# Altium PCB bq3DP_LCD.PcbDoc
Units mm, origin at the board's own origin, x right, y up, seen from the top; angles counter-clockwise.
Board outline 149.95 x 70.69 mm, 2 copper layers (Top Layer, Bottom Layer), stack 1.671 mm thick; 48 components, 34 nets, 185 pads, 67 vias.
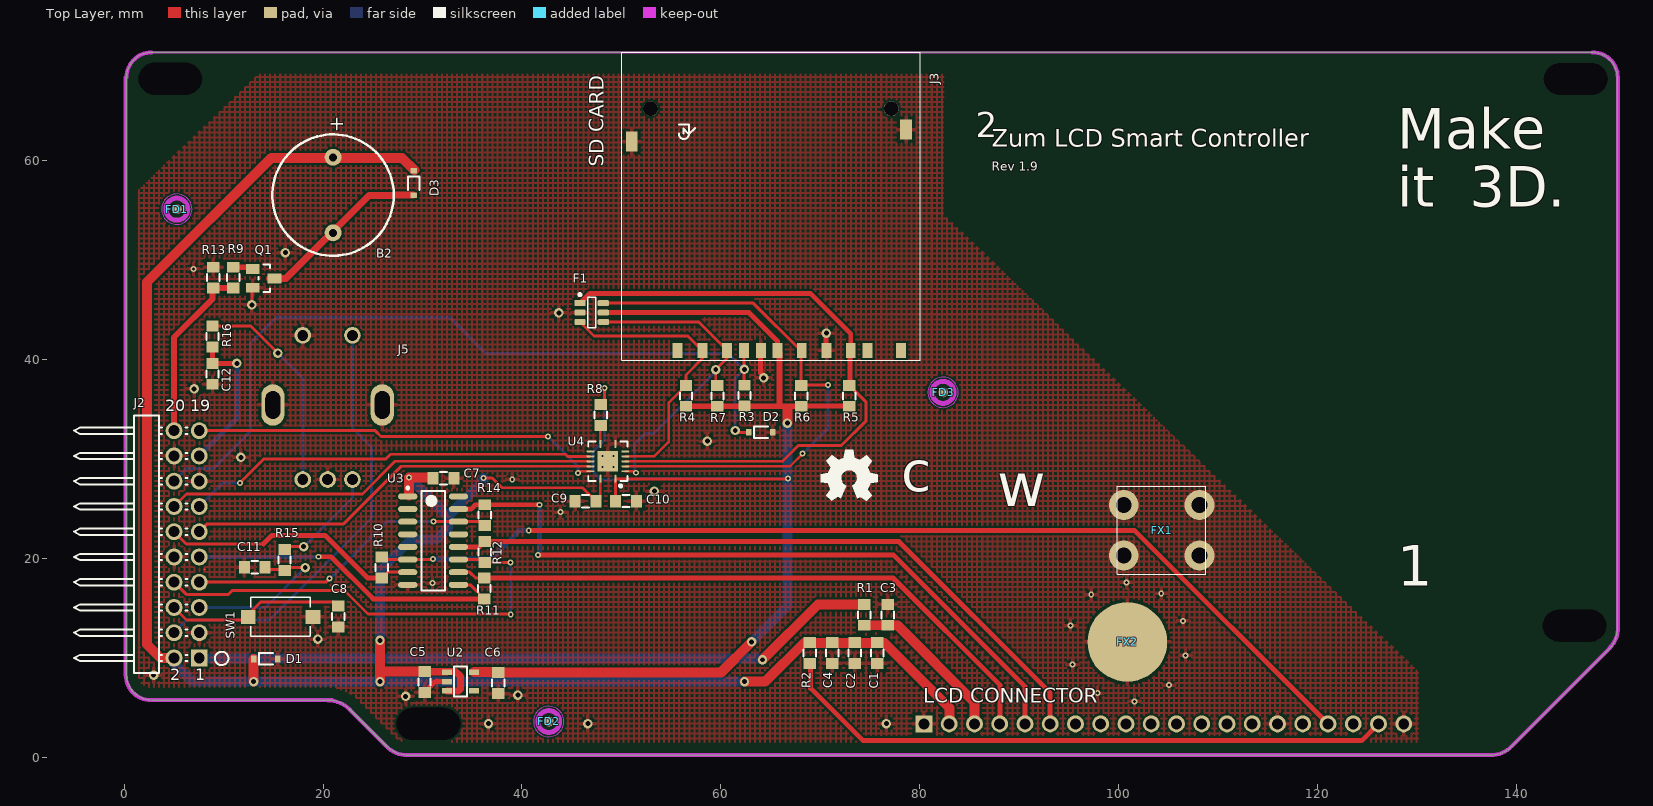
[diagram p0: Top Layer view]
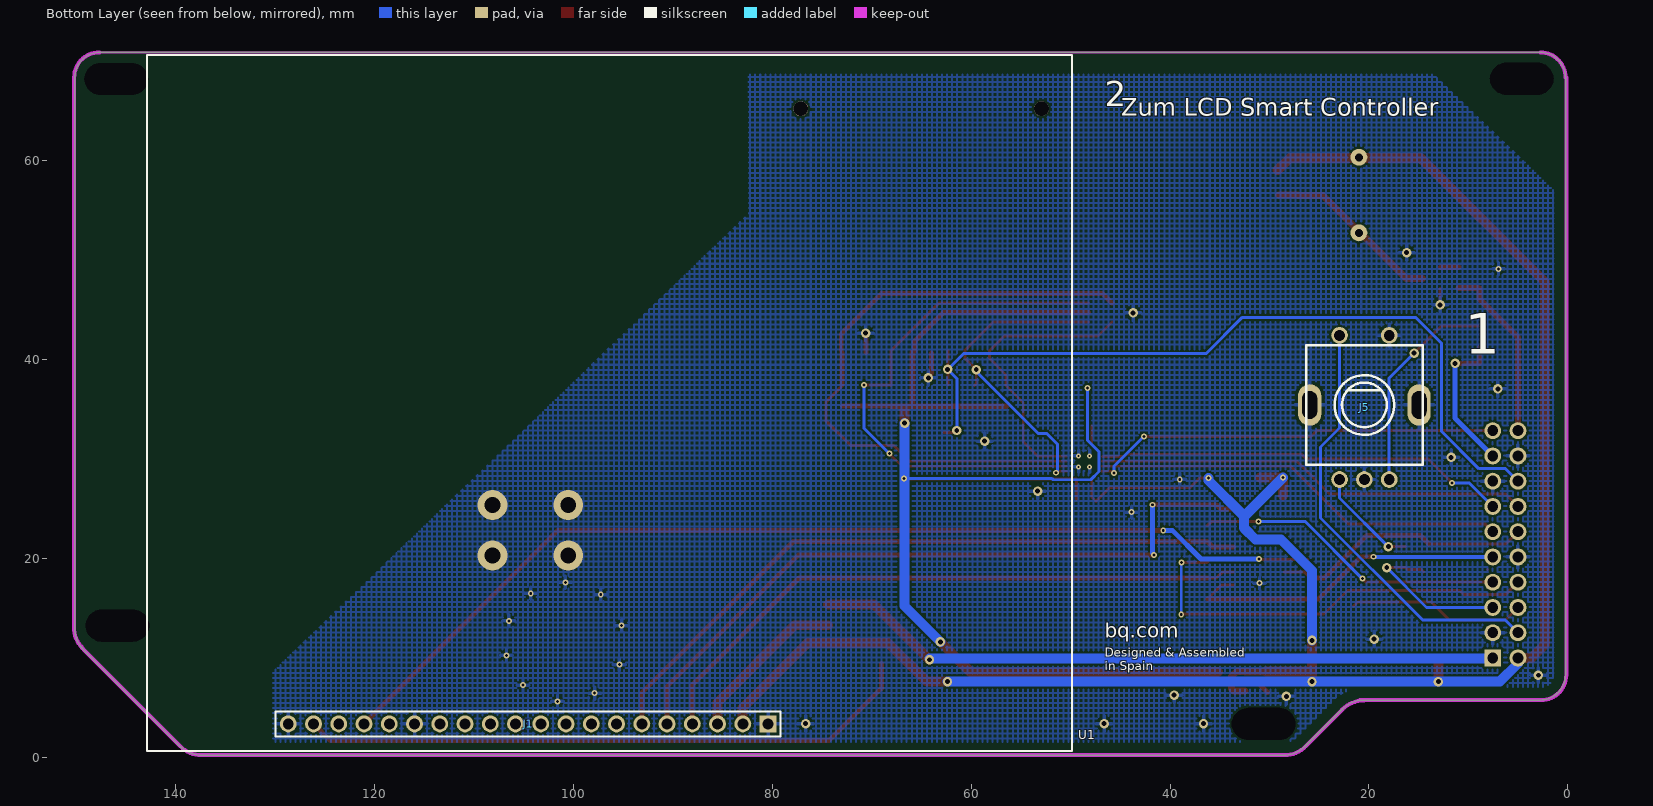
[diagram p1: Bottom Layer view, seen from below]

## Layer stack, top to bottom
Top Solder: solder mask 0.0102, Solder Resist, Dk 3.5
Top Layer: signal copper 0.0356
Dielectric 1: dielectric 1.6, FR-4, Dk 4.8
Bottom Layer: signal copper 0.0356
Bottom Solder: solder mask 0.0102, Solder Resist, Dk 3.5

## Board outline
2.77,5.75 cw(c2.77,8.29) 0.23,8.29 0.23,68.36 cw(c2.77,68.36) 2.77,70.9 147.64,70.9 cw(c147.64,68.36) 150.18,68.36 150.184,68.36 150.184,12.918 cw(c147.25,12.918) 149.325,10.843 139.588,1.106 cw(c137.42,3.274) 137.42,0.208 28.57,0.208 cw(c28.57,3.274) 26.402,1.106 26.404,1.108 22.69,4.822 ccw(c20.45,2.583) 20.45,5.75

## Design rules (kind name [scope] priority, off if disabled: settings)
Clearance Clearance_KO [OnLayer('Keep-Out Layer')] p1: gap=1
Clearance [All] p2: gap=0.2
HoleSize [All] p1: absolutevalues=TRUE maxlimit=6.4 minlimit=0.025 maxpercent=80.000 minpercent=20.000
MinimumSolderMaskSliver [All] p1: minsoldermaskwidth=0
PlaneConnect [All] p1: planeconnectstyle=Relief reliefexpansion=0.508 reliefentries=4 reliefconductorwidth=0.3 reliefairgap=0.3
PolygonConnect PolygonConnect_EARTH [InComponent('FX1')] p1: connectstyle=Direct reliefconductorwidth=0.35 reliefentries=4 polygonreliefangle="90 Angle" airgapwidth=0.3
PolygonConnect [All] p2: connectstyle=Relief reliefconductorwidth=0.35 reliefentries=4 polygonreliefangle="90 Angle" airgapwidth=0.3
RoutingVias [All] p1: holewidth=0.711 width=1.27 viastyle="Through Hole" minholewidth=0.5 minwidth=0.95 maxholewidth=2 maxwidth=3
SilkToBoardRegionClearance [All] p1 off:
SilkToSolderMaskClearance [IsPad] p1: minsilkscreentomaskgap=0 clearancetoexposedcopper=TRUE
SolderMaskExpansion [All] p1: expansion=0.102
Width [All] p1: maxlimit=3 minlimit=0.15 preferedwidth=0.3
25 further rules are at their usual default settings.

## Components (designator, comment, footprint, x,y, rotation, side; value= is the part's Value field where it differs from the comment)
B2 "BUZZER" KXG1205C 21.01,56.54 r270 top
C1 "Capacitor" C0805 75.76,10.48 r90 top
C2 "Capacitor" C0805 73.493,10.48 r90 top
C3 "Capacitor" C0805 76.79,14.32 r270 top
C4 "Capacitor" C0805 71.227,10.48 r90 top
C5 "Capacitor" C0805 30.21,7.57 r90 top
C6 "Capacitor" C0805 37.62,7.45 r90 top
C7 "Capacitor" C0805 32.11,28.05 r180 top
C8 "Capacitor" C0805 21.53,14.15 r90 top
C9 "Capacitor" C0805 46.41,25.74 r0 top
C10 "Capacitor" C0805 50.47,25.76 r180 top
C11 "Capacitor" C0805 13.13,19.1 r0 top
C12 "Capacitor" C0805 8.88,38.56 r90 top
D1 "PESD5V0L1UA" SOD323 14.24,9.89 r180 top
D2 "PESD5V0L1UA" SOD323 64.03,32.68 r180 top
D3 "1N4148WX" SOD323 29.12,57.76 r90 top
F1 "IP4220CZ6" SOT23-6 47.02,44.72 r270 top
FD1 "Fiducial" Fiducial 5.29,55.12 r0 top
FD2 "Fiducial" Fiducial 42.7,3.59 r0 top
FD3 "Fiducial" Fiducial 82.36,36.7 r0 top
FX1 "Fix Hole" 74760045 104.35,22.95 r0 top
FX2 "Fix Hole" 7466214 100.9,11.59 r0 top
J1 "1x20 pin Header 2.54mm" "1x20 Pin Header 2.54" 80.44,3.348 r0 bottom
J2 "2x10 Pin Angled Header 2.54" "2x10 Pin Angled Header 2.54" 7.55,9.98 r90 top
J3 "SD" SD 58.15,40.91 r180 top
J5 "Encoder_ALPS" Encoder_EC11 20.46,35.43 r180 bottom
Q1 "NDS331N" SOT23-3 14.03,48.17 r90 top
R1 "Resistor" R0805 74.43,14.32 r90 top
R2 "Resistor" R0805 68.96,10.48 r90 top
R3 "Resistor" R0805 62.39,36.36 r270 top
R4 "Resistor" R0805 56.51,36.35 r270 top
R5 "Resistor" R0805 72.93,36.35 r270 top
R6 "Resistor" R0805 68.09,36.35 r270 top
R7 "Resistor" R0805 59.67,36.35 r270 top
R8 "Resistor" R0805 47.92,34.41 r90 top
R9 "Resistor" R0805 10.97,48.23 r270 top
R10 "Resistor" R0805 25.91,19.09 r90 top
R11 "Resistor" R0805 36.23,16.97 r90 top
R12 "Resistor" R0805 36.27,20.64 r90 top
R13 "Resistor" R0805 8.96,48.23 r270 top
R14 "Resistor" R0805 36.27,24.34 r90 top
R15 "Resistor" R0805 16.13,19.82 r90 top
R16 "Resistor" R0805 8.88,42.3 r90 top
SW1 "Switch" SW_SMD_6.0x3.8 15.73,14.12 r0 top
U1 "LCD" LCD_Graphic_128x64 80.647,3.13 r180 bottom
U2 "TLV702XX" SOT23-5 33.82,7.61 r270 top
U3 "74HC4050" SO16 31.07,21.78 r0 top
U4 "TXB0104" QFN14 48.65,29.76 r90 top

## Footprints (in the part's own frame and the unit in brackets; to place one, negate y for a bottom-side part, rotate by r counter-clockwise, add the part's x,y. Pads: shape width x height; smd on the part's side, far side on the other; paste and mask are expansions set on the pad)
"1x20 Pin Header 2.54" [mm] "1x20 Pin Header 2.54"
  rect 1.7x1.7 hole 1.1: 1(0,0)
  round 1.7 hole 1.1: 2(2.54,0) 3(5.08,0) 4(7.62,0) 5(10.16,0) 6(12.7,0) 7(15.24,0) 8(17.78,0) 9(20.32,0) 10(22.86,0) 11(25.4,0) 12(27.94,0) 13(30.48,0) 14(33.02,0) 15(35.56,0) 16(38.1,0) 17(40.64,0) 18(43.18,0) 19(45.72,0) 20(48.26,0)
  silkscreen extent -1.27,-1.27 49.53,1.27, body extent -1.26,-1.25 49.54,1.29, height 8.43
"2x10 Pin Angled Header 2.54" [mm] "20 dual pin Header pitch 2.54mm"
  rect 1.7x1.7 hole 1.1: 1(0,0)
  round 1.7 hole 1.1: 2(0,2.54) 3(2.54,0) 4(2.54,2.54) 5(5.08,0) 6(5.08,2.54) 7(7.62,0) 8(7.62,2.54) 9(10.16,0) 10(10.16,2.54) 11(12.7,0) 12(12.7,2.54) 13(15.24,0) 14(15.24,2.54) 15(17.78,0) 16(17.78,2.54) 17(20.32,0) 18(20.32,2.54) 19(22.86,0) 20(22.86,2.54)
  silkscreen extent -1.52,1.2 24.38,12.58, body extent -1.28,-0.28 24.12,12.6, height 5.04
7466214 [mm]
  round 8 smd: 1(0,0)
  body extent -3.5,-3.44 3.5,3.56, height 8
74760045 [mm]
  round 3 hole 1.6 paste+0 mask+0: 1(-3.81,-2.667) 1(-3.81,2.413) 1(3.81,-2.667) 1(3.81,2.413)
  silkscreen extent -4.44,-4.57 4.44,4.32, body extent -4.44,-4.57 4.44,4.32, height 10
C0805 [mm] "Chip Capacitor, Body 2.0x1.25mm, IPC High Density"
  rect 1.1x1.25 smd: 1(-1.05,0) 2(1.05,0)
  silkscreen extent -0.35,-0.62 0.35,0.62, body extent -0.98,-0.62 1.02,0.63, height 0.78
Encoder_EC11 [mm] "Incremental Encoder with button"
  round 1.676 hole 1.1 mask+0.05: A(-2.5,-7.5) B(2.5,-7.5) C(0,-7.5) D(-2.5,7) E(2.5,7)
  oval 2.337x4.166 hole 1.5 slot 2.8 at 90 deg: ""(-5.5,0) ""(5.5,0)
  silkscreen extent -5.85,-6 5.85,6, body extent -6.55,-7.62 6.55,7.33, height 24.5
Fiducial [mm] "Marcas Fiduciales para montador"
  round 1 smd paste+0 mask+0.75: ""(0,0)
  Top Layer keep-out circle w0.05: c0,0 r1.53
KXG1205C [mm]
  round 1.7 hole 0.8: 1(-3.8,0) 2(3.8,0)
  silkscreen extent -6.1,-6.1 6.1,6.1, body extent -5.95,-5.99 6,5.99, height 9.5
LCD_Graphic_128x64 [mm] "Graphic LCD 128x64 dots 93x70mm."
  silkscreen extent -62.26,-2.5 30.76,67.51, body extent -64.6,-2.3 28.4,67.7, height 13.8
QFN14 [mm]
  oval 0.8x0.2 smd: 1(-1.75,-0.75) 7(1.75,-0.75) 8(1.75,0.75) 14(-1.75,0.75)
  oval 0.2x0.8 smd: 2(-1,-1.75) 3(-0.5,-1.75) 4(0,-1.75) 5(0.5,-1.75) 6(1,-1.75) 9(1,1.75) 10(0.5,1.75) 11(0,1.75) 12(-0.5,1.75) 13(-1,1.75)
  rect 2.05x2.05 smd: 15(0,0)
  silkscreen extent -2.61,-1.97 1.97,1.97, body extent -1.83,-1.83 1.83,1.83, height 1
R0805 [mm] "Chip Resistor, Body 2.0x1.25mm, IPC High Density"
  rect 1.1x1.25 smd: 1(-1.05,0) 2(1.05,0)
  silkscreen extent -0.35,-0.62 0.35,0.62, body extent -0.98,-0.62 1.02,0.63, height 0.39
SD [mm] "WURTH - 693061010911"
  rect 1x1.5 smd: 1(0,0) 2(-2.5,0) 3(-5.9,0) 4(-7.55,0) 5(-10,0) 6(-12.5,0) 7(-14.93,0) 8(-16.63,0) 9(2.5,0) 10(-19.98,0) 11(-4.2,0)
  rect 1.2x2 smd: ""(-20.5,-22.21) ""(7.1,-21)
  round 1.5 hole 1.5 unplated: ""(-19,-24.31) ""(5.2,-24.31)
  silkscreen extent -21.9,-30 8.1,1, body extent -20.7,-29.25 8.1,0.65, height 3.05
SO16 [mm] "SOP, 16-Leads, Body 9,90x3,90mm, Pitch 1,27mm, IPC Medium Density"
  oval 1.95x0.6 smd: 1(-2.55,4.445) 2(-2.55,3.175) 3(-2.55,1.905) 4(-2.55,0.635) 5(-2.55,-0.635) 6(-2.55,-1.905) 7(-2.55,-3.175) 8(-2.55,-4.445) 9(2.55,-4.445) 10(2.55,-3.175) 11(2.55,-1.905) 12(2.55,-0.635) 13(2.55,0.635) 14(2.55,1.905) 15(2.55,3.175) 16(2.55,4.445)
  silkscreen extent -2.67,-5 1.17,5.42, body extent -2,-5 2,5, height 1.75
SOD323 [mil]
  rect 22x27 smd: A(-48,0) K(48,0)
  silkscreen extent -28,-23 26,23, body extent -51,-27 51,27, height 44
SOT23-3 [mm] "SOT23, 3-Leads, Body 2.9x1.3mm, Pitch 0.95mm, Lead Span 2.5mm, IPC High Density"
  rect 1x1.4 smd: 1(0.95,1.1) 2(-0.95,1.1) 3(0,-1.1)
  silkscreen extent -1.4,-0.64 1.4,0.51, body extent -1.44,-1.45 1.46,1.35, height 1.07
SOT23-5 [mm] "SOT23, 3-Leads, Body 2.9x1.3mm, Pitch 0.95mm, Lead Span 2.5mm, IPC High Density"
  rect 0.55x1 smd: 1(-0.95,-1.35) 2(0,-1.35) 3(0.95,-1.35) 4(0.95,1.35) 5(-0.95,1.35)
  silkscreen extent -1.5,-0.65 1.5,0.65, body extent -1.4,-1.5 1.5,1.3, height 1.24
SOT23-6 [mm]
  rect 0.6x1.15 smd: 1(-0.95,-1.175)
  rrect50% 0.6x1.15 smd: 2(0,-1.175) 3(0.95,-1.175) 4(0.95,1.175) 5(0,1.175) 6(-0.95,1.175)
  silkscreen extent -1.92,-1.3 1.55,0.39, body extent -1.46,-1.17 1.46,1.17, height 1
SW_SMD_6.0x3.8 [mm] "Micro miniature pushbutton switch 6.0x3.8mm"
  rect 1.5x1.4 smd: 1(3.25,0) 2(-3.25,0)
  silkscreen extent -3,-1.95 3,1.95, body extent -3.65,-1.95 3.65,1.95, height 2.5

## Part data
B2: library part KXG1205C, "Buzzer"
C1 C3 C4 C5 C6: library part C0805_1uF_6V3_±10%
C2 C7: library part C0805_100nF_6V3_±10%
C8: library part C0805_10nF_6V3_±10%
C9 C10: library part C0805_100nF_16V_±10%, "Capacitor SMD"
C11 C12: library part C0805_47nF_16V_±10%, "Capacitor SMD"
D1 D2: "Transient Suppression Diodes"
D3: "Diodo"
F1: library part "USB ESD", "USB Dual ESD Protection"
FX1: library part "Earth connection"
FX2: library part "Earth SMD connection"
J1: library part CON_PH_THT2.54_20
J2: library part CON_DPH_THTA2.54_20, "20 pin Dual Angled Header 2.54mm"
J5: library part Encoder_EC11, "Encoder 2-ph w/button ALPS"
Q1: "Mosfet Channel N Enhancement Mode"
R1: library part R0805_1k_0.125W_±5%
R2: library part R0805_24R_0.125W_±5%
R3 R4 R5 R6 R7: library part R0805_75k_0.125W_±5%, "Resistor, SMD"
R8 R9 R13: library part R0805_10k_0.125W_±5%
R10 R11 R12 R14: library part R0805_0R_0.125W_±5%, "Resistor, SMD"
R15 R16: library part R0805_220R_0.125W_±5%, "Resistor, SMD"
SW1: library part "SW SMD", "Micro miniature pushbutton surface Switch"
U1: library part LCD_graph, "LCD 128x64 dot 93x70mm"
U2: library part TLV70233, "300mA LowIQ Low-dropout Regulator"
U3: library part HEF4050B, "Hex non-inverting HIGH-to-LOW level shifter"
U4: "Voltage Translator, Quad"

## Free pads (board coordinates)
  round 1 hole 3.2 slot 6.4 at 0 deg mask+0.05: ""(4.63,68.24) ""(30.59,3.348) ""(145.89,13.23) ""(146,68.21)

## Via types
v1: diameter 0.6, hole 0.3, Top Layer to Bottom Layer, 33 vias
v2: diameter 0.95, hole 0.5, Top Layer to Bottom Layer, 30 vias
v3: diameter 0.5, hole 0.2, Top Layer to Bottom Layer, 4 vias

## Nets (pads, with @x,y where several pads share a name; then routed paths per layer and width w, separated by ;. In a path a pad name is that pad's centre, name@x,y a point inside that pad or via, vN(x,y) a via of type N, cw(c..) or ccw(c..) an arc to the next point about the centre after c; other vN are vias at no path point)
BTN_ENC: J2.4 J5.D | length 43.8
  Bottom Layer w0.3: J2.4 6.29,13.8 14.6,13.8 24.87,24.07 24.87,31.2 22.96,33.11 J5.D
BUZZ: J2.20 R9.2 R13.2 | length 17.9
  Top Layer w0.6: J2.20 5.01,42.23 8.89,46.11 R13.2@8.89,47.15 ; R13.2 R9.2
CNTRST: J2.1 R1.2 | length 69.2
  Top Layer w1: v2(64.2,9.8) 69.77,15.37 R1.2
  Bottom Layer w1: J2.1 7.609,9.921 v2@64.2,9.921
ENC1: C12.2 J2.17 R16.1 | length 15.3
  Top Layer w0.5: R16.1 C12.2 v2(11.34,39.61)
  Bottom Layer w0.5: J2.17@7.55,30.597 J2.17 11.34,34.09 v2(11.34,39.61)
ENC3: C11.2 J2.5 R15.1 | length 16.2
  Top Layer w0.3: C11.2@14.5,18.62 14.74,18.86 16.1,18.86 16.31,19.07 v2(18.21,19.07)
  Bottom Layer w0.3: J2.5 14.2,15.06 v2(18.21,19.07)
GND: C1.1 C2.1 C3.1 C4.1 C5.1 C6.1 C7.1 C8.1 C9.1 C10.1 C11.1 C12.1 D1.A D2.A F1.2 FX1.1 FX2.1 J1.1 J1.15 J1.20 J2.3 J2.10 J2.15 J2.18 J3.3 J3.6 J3.@51.05,61.91 J3.@78.65,63.12 J5. J5.C J5.E Q1.2 R13.1 SW1.1 U2.2 U3.8 U4.7 U4.15 | length 9.1
  Top Layer w0.3: 8.069,18.886 8.073,18.89 ; v2(12.83,45.5) Q1.2@12.83,47.12
  Top Layer w0.5: C5.1 31.3,7.61 U2.2 ; J3.3@64,40.66 64,38.62 64.46,38.16 v2(64.31,38.16) ; J3.6@70.57,40.69 v2@70.57,42.65
  other v1: 101.62,5.62 97.89,6.44 105.09,7.25 95.4,9.31 106.75,10.25 95.16,13.24 106.51,13.72 97.27,16.34 104.31,16.47 31.01,17.51 100.83,17.58 43.88,24.65 39.03,27.94 6.97,49.12
  other v2: 36.64,3.38 46.64,3.38 76.66,3.38 28.31,6.12 39.59,6.25 2.95,8.24 19.47,11.88 53.33,26.76 11.74,30.15 58.65,31.79 7.03,37.04 70.62,42.65 43.71,44.69 16.2,50.75
  other v3: 48.1,29.21 49.2,29.21 48.1,30.31 49.2,30.31
LCD_CNTRST: C3.2 J1.3 R1.1 | length 16.5
  Top Layer w1: R1.1 77.78,13.27 85.54,5.51 J1.3@85.54,3.348
LCD_CS: J2.9 R11.1 U3.9 | length 33.6
  Top Layer w0.3: U3.9 34.815,17.335 R11.1
  Top Layer w0.5: v1(19.53,20.16) 20.8,20.16 25.04,15.92 R11.1
  Bottom Layer w0.4: J2.9 v1@19.51,20.14
LCD_R_CS: J1.4 R11.2 U3.10 | length 63.1
  Top Layer w0.3: U3.10 34.765,18.605 35.35,18.02 R11.2
  Top Layer w0.5: R11.2 77.33,18.02 88.08,7.27 J1.4@88.08,3.348
LCD_R_RST: J1.17 R10.2 U3.6 | length 104.2
  Top Layer w0.3: R10.2@26.175,19.875 U3.6 v1@30.995,19.875
  Top Layer w0.5: v1@40.62,22.82 v1(40.69,22.82) 101.608,22.82 J1.17
  Bottom Layer w0.5: v1(31.06,19.94) 36.9,19.94 39.78,22.82 v1(40.69,22.82)
LCD_R_SCK: J1.6 R12.2 U3.12 | length 69.2
  Top Layer w0.5: U3.12 35.725,21.145 R12.2 77.92,21.69 93.14,6.47 J1.6
LCD_R_SDA: J1.5 R14.2 U3.15 | length 71.7
  Top Layer w0.5: U3.15 34.895,24.955 35.33,25.39 R14.2 v1(41.79,25.39) ; v1(41.61,20.35) 77.37,20.35 90.62,7.1 J1.5@90.62,3.348
  Bottom Layer w0.5: v1(41.61,20.35) 41.79,20.53 v1(41.79,25.39)
LCD_RST: J2.12 R10.1 U3.7 | length 26.4
  Top Layer w0.3: J2.12 6.25,21.44 14,21.44 ; R10.1 26.475,18.605 U3.7
  Top Layer w0.5: 14,21.44 14.85,22.29 20.22,22.29 24.47,18.04 R10.1
LCD_SCK: J2.8 R12.1 U3.11 | length 46
  Top Layer w0.3: J2.8 5.042,17.6 6.296,16.346 10.446,16.346 10.86,16.76 22.16,16.76 24.53,14.39 v1@38.86,14.39 ; U3.11 35.985,19.875 R12.1 v1(38.84,19.59)
  Bottom Layer w0.3: v1(38.88,14.37) v1@38.88,19.55
LCD_SDA: J2.7 R14.1 U3.14 | length 32
  Top Layer w0.3: J2.7@7.98,17.17 J2.7 20.28,17.6 v1@20.64,17.96 ; v1@31.135,23.685 U3.14 35.875,23.685 R14.1
  Bottom Layer w0.3: v1(20.67,17.96) 26.43,23.72 v1(31.1,23.72)
LCD_VO: J1.18
NetB2_2: B2.2 D3.A Q1.3 | length 18.1
  Top Layer w0.7: Q1.3@14.615,48.17 16.288,48.17 24.618,56.5 27.2,56.5 27.159,56.541 D3.A
NetJ1_19: J1.19 R2.1 | length 62.5
  Top Layer w0.5: R2.1@69.05,9.43 69.05,6.93 74.322,1.658 124.47,1.658 J1.19
NetJ5_1: J5.A R15.2 | length 10.5
  Top Layer w0.3: R15.2@16.31,21.17 v2(18.05,21.17)
  Bottom Layer w0.3: v2(18.05,21.17) 22.96,26.08 J5.A
NetJ5_2: J5.B R16.2 | length 21.4
  Top Layer w0.3: R16.2 12.75,43.35 v2(15.46,40.64)
  Bottom Layer w0.3: v2(15.46,40.64) 17.96,38.14 J5.B
NetQ1_1: Q1.1 R9.1 | length 1.8
  Top Layer w0.6: R9.1 Q1.1@12.77,49.28
NetR8_1: R8.1 U4.8 | length 1.8
  Top Layer w0.254: U4.8 R8.1@47.9,33.34
RST_BUT: C8.2 J2.6 SW1.2 | length 18
  Top Layer w0.3: J2.6 6.27,13.8 11.92,13.8 12.58,14.46 13.73,15.61 21.12,15.61 C8.2
SD_CLK: J2.11 U4.12 | length 42
  Top Layer w0.254: 27.86,29.26 U4.12@46.805,29.26
  Top Layer w0.3: J2.11 8.34,23.47 22.07,23.47 27.86,29.26
SD_CS: J2.13 U4.10 | length 41.5
  Top Layer w0.3: v1(11.64,27.6) 12.957,28.917 14.01,29.97 26.29,29.97 26.79,30.47 44.39,30.47 44.6,30.26 U4.10@46.805,30.26
  Bottom Layer w0.3: J2.13 9.93,27.6 v1(11.64,27.6)
SD_DIN: J2.19 U4.13 | length 41.5
  Top Layer w0.254: v1(45.66,28.6) 45.82,28.76 U4.13
  Top Layer w0.3: J2.19 25.25,32.84 25.83,32.26 v1(42.64,32.26)
  Bottom Layer w0.3: v1(42.64,32.26) 45.66,29.24 v1@45.66,28.61
SD_DOUT: J2.14 U4.11 | length 43.7
  Top Layer w0.254: 27.24,29.76 U4.11@46.805,29.76
  Top Layer w0.3: J2.14 6.27,26.48 23.96,26.48 27.24,29.76
SD_R_CD: D2.K J2.16 J3.11 R3.1 | length 82.9
  Top Layer w0.3: v2(61.46,32.86) 61.64,32.68 D2.K ; R3.1@62.35,37.45 J3.11
  Bottom Layer w0.3: J2.16 6.264,29.014 8.944,29.014 12.68,32.75 12.68,41.61 15.31,44.24 32.74,44.24 36.4,40.58 60.79,40.58 v2(62.37,39) 61.46,38.09 v2(61.46,32.86)
SD_R_CLK: F1.6 J3.5 R6.1 U4.3 | length 54.3
  Top Layer w0.254: U4.3@50.455,29.26 66.98,29.26 v1@68.235,30.515
  Top Layer w0.3: F1.6 63.27,45.67 68.09,40.85 R6.1 68.11,37.42 v1(70.81,37.42)
  Bottom Layer w0.3: v1(68.22,30.53) 70.81,33.12 v1(70.81,37.42)
SD_R_CS: F1.3 J3.1 R4.1 U4.5 | length 29
  Top Layer w0.254: U4.5@50.455,30.26 53.31,30.26 54.75,31.7 54.75,35.64 R4.1
  Top Layer w0.3: F1.3 47.245,42.37 56.69,42.37 J3.1 58.15,40.09 56.51,38.45 R4.1
SD_R_DIN: F1.4 J3.2 R7.1 U4.2 | length 33.1
  Top Layer w0.254: U4.2 51.31,28.76 v1(51.46,28.61)
  Top Layer w0.3: F1.4 57.79,43.77 J3.2 60.65,40.14 v2(59.5,38.99) 59.5,37.57 R7.1
  Bottom Layer w0.3: v1(51.46,28.61) 51.31,28.76 51.31,31.46 52.43,32.58 53.29,32.58 v2@59.6,38.89
SD_R_DOUT: F1.1 J3.7 R5.1 U4.4 | length 64.5
  Top Layer w0.254: U4.4@50.455,29.76 66.22,29.76
  Top Layer w0.3: 66.22,29.76 67.8,31.34 72.13,31.34 74.63,33.84 74.63,35.7 R5.1 R5.1@73,37.47
  Top Layer w0.5: F1.1 46.835,46.66 69.01,46.66 73.08,42.59 J3.7 ; R5.1@73,37.47 J3.7@73,40.69
VCC_3V3: C6.2 C10.2 F1.5 J3.4 R3.2 R4.2 R5.2 R6.2 R7.2 R8.2 U2.5 U4.1 | length 145.6
  Top Layer w0.3: R8.2@48.33,35.87 v1(48.33,37.13) ; U4.1@49.4,27.97 49.42,27.97 C10.2@49.42,25.9 ; U4.1@49.42,27.99 51.161,27.99 51.191,27.96 51.729,27.96 51.759,27.99 66.701,27.99 v1@66.72,27.97
  Top Layer w0.5: F1.5 62.84,44.72 65.7,41.86 J3.4 ; R6.2 R5.2
  Top Layer w0.6: R4.2 R7.2 65.86,35.3 ; J3.4 65.91,40.7 65.91,35.3 R6.2
  Top Layer w1: U2.5 C6.2@37.81,8.56 ; C6.2 60.01,8.5 v2(63.1,11.59) ; v2@66.7,33.61 66.7,35.09
  Bottom Layer w0.3: v1(48.33,37.13) 48.33,31.91 47.15,30.73 47.15,28.74 47.984,27.906 51.752,27.906 51.866,28.02 v1@66.71,28.02
  Bottom Layer w1: v2(63.1,11.59) 66.71,15.2 66.71,28.02 v2(66.71,33.61)
  other v1: 66.78,28.02
VCC_5V: B2.1 C1.2 C2.2 C4.2 C5.2 C7.2 C9.2 D1.K D3.K J1.2 J2.2 R2.2 U2.1 U2.3 U3.1 U4.14 | length 223.6
  Top Layer w0.254: C9.2 47.9,26.18 U4.14
  Top Layer w0.3: v1(36.15,28.09) 37.01,28.09 38,27.1 46.1,27.1 C9.2
  Top Layer w0.7: C5.2@30.22,8.62 33.34,8.62 33.82,8.14 33.82,6.86 33.62,6.66 U2.3 ; C5.2@30.27,8.56 U2.1
  Top Layer w1: J2.2 3.66,9.98 2.3,11.34 2.3,47.79 14.79,60.28 27.95,60.28 D3.K@29.185,59.045 ; v2@13.021,7.601 D1.K ; v2(25.73,7.6) v2(25.73,11.75) ; 26.04,8.62 C5.2@30.34,8.62 ; U3.1@28.629,26.334 v1(28.629,28.151) C7.2@30.959,28.151 ; v2(62.39,7.6) 64.48,7.6 68.38,11.5 76.462,11.5 83,4.962 J1.2@83,3.348
  Bottom Layer w1: J2.2 5.01,9.43 6.84,7.6 v2(25.73,7.6) v2(62.39,7.6) ; v2(25.73,11.75) 25.73,18.78 28.84,21.89 31.41,21.89 32.55,23.03 32.55,24.23 ; v1(28.629,28.151) 32.55,24.23 ; v1(36.15,28.09) 36.15,27.83 32.55,24.23
  other v2: 13.01,7.59
pads on no net: FD1. FD2. FD3. J1.7 J1.8 J1.9 J1.10 J1.11 J1.12 J1.13 J1.14 J1.16 J3.8 J3.9 J3.10 J3.@52.95,65.22 J3.@77.15,65.22 U2.4 U3.2 U3.3 U3.4 U3.5 U3.13 U3.16 U4.6 U4.9

## Polygon pours and split planes (outlines as drawn)
GND on Bottom Layer "BL_GND" (hatched 90Degree grid 0.508 track 0.203, remove dead copper, pour order 4): 1.001,44.2 0.959,44.281 0.918,5.13 21.41,4.952 25.863,0.75 130.21,0.75 130.218,8.58 82.349,54.689 82.389,68.69 13.529,68.69 0.95,56.53
GND on Top Layer "TL-GND" (hatched 90Degree grid 0.508 track 0.203, remove dead copper, pour order 3): 1.001,44.2 0.959,44.281 0.918,5.107 21.435,4.929 25.863,0.75 125.019,0.75 130.145,0.75 130.14,8.58 82.349,54.614 82.389,68.69 13.529,68.69 0.95,56.53

## Keep-outs
Top Layer:
  circle w0.5: c5.29,55.12 r1.106
  circle w0.5: c82.36,36.7 r1.106
  circle w0.5: c42.7,3.59 r1.106
Keep-Out Layer:
  lines w0.2: 2.77,70.9 147.7,70.9
  lines w0.4: 0.15,8.2 0.15,68.344 ; 0.15,8.27 ccw(c2.69,8.27) 2.69,5.73 ; 0.23,68.36 cw(c2.77,68.36) 2.77,70.9 ; 2.69,5.74 20.916,5.74 ; 20.522,5.703 cw(c20.522,2.637) 22.69,4.805 ; 22.661,4.777 26.332,1.106 ccw(c28.5,3.274) 28.5,0.208 137.42,0.208 ccw(c137.42,3.274) 139.588,1.106 149.262,10.78 ; 147.7,70.9 cw(c147.7,68.36) 150.24,68.36 ; 149.373,10.946 ccw(c147.205,13.114) 150.271,13.114 ; 150.232,13.278 150.232,68.39

## Silkscreen, mask and mechanical layers (free items; w line width, h text height)
Top Overlay:
  circle w0.2: c9.8,9.93 r0.675
  region: 70.631,29.831 71.163,30.359 71.197,30.354 71.809,29.935 71.859,29.934 72.362,30.143 72.382,30.174 72.517,30.901 72.546,30.931 73.278,30.932 73.316,30.901 73.452,30.168 73.474,30.14 73.974,29.934 74.016,29.932 74.636,30.354 74.677,30.356 75.196,29.838 75.201,29.79 74.787,29.184 74.784,29.174 74.788,29.138 75.003,28.636 75.032,28.605 75.748,28.469 75.779,28.432 75.778,27.7 75.75,27.671 75.049,27.539 75.021,27.507 74.804,26.962 74.808,26.924 75.204,26.343 75.201,26.308 74.671,25.782 74.643,25.782 74.076,26.17 74.025,26.17 73.769,26.036 73.739,26.054 73.232,27.279 73.239,27.318 73.347,27.392 73.487,27.505 73.595,27.635 73.655,27.755 73.695,27.875 73.716,28.066 73.705,28.195 73.675,28.335 73.615,28.465 73.515,28.603 73.405,28.705 73.316,28.755 73.205,28.815 73.075,28.855 72.916,28.866 72.785,28.855 72.625,28.815 72.455,28.725 72.355,28.636 72.285,28.565 72.195,28.415 72.145,28.285 72.125,28.185 72.116,28.066 72.115,27.985 72.155,27.825 72.225,27.665 72.295,27.565 72.38,27.465 72.486,27.392 72.586,27.324 72.603,27.289 72.094,26.054 72.079,26.039 72.053,26.039 71.806,26.171 71.765,26.173 71.182,25.78 71.148,25.79 70.631,26.308 70.628,26.342 71.024,26.923 71.027,26.969 70.801,27.525 70.771,27.543 70.071,27.677 70.055,27.701 70.054,28.432 70.077,28.467 70.793,28.601 70.825,28.627 71.045,29.138 71.046,29.183 70.628,29.797
  lines w0.2: 55.786,63.65 56.796,63.65 56.796,62.61 ; 55.797,62.713 ccw(c56.296,62.67) 56.796,62.67 ; 56.236,62.74 56.236,63.234 56.8,62.67 57.416,63.286
  text "2" at 85.63,61.5 h4.3
  text "Zum LCD Smart Controller" at 87.255,60.79 h3
  text "Make" at 128.03,59.851 h7
  text "SD CARD" at 48.73,59.41 h2.5 r90
  text "Rev 1.9" at 87.254,58.67 h1.52
  text "it  3D." at 128.036,54.001 h7
  text "20" at 4.11,34.39 h2
  text "19" at 6.63,34.39 h2
  text "c" at 78.14,25.415 h6.9
  text "w" at 87.79,23.765 h7.5
  text "1" at 128.03,15.89 h7
  text "2" at 4.63,7.33 h2
  text "1" at 7.15,7.33 h2
  text "LCD CONNECTOR" at 80.37,4.95 h2.5
Bottom Overlay:
  text "2" at 46.56,64.6 h4.3
  text "Zum LCD Smart Controller" at 44.935,63.89 h3
  text "1" at 10.37,39.245 h7
  text "bq.com" at 46.558,11.53 h2.5
  text "Designed & Assembled" at 46.56,9.78 h1.5
  text "in Spain" at 46.559,8.455 h1.5
Mechanical 1:
  lines w0.254: 19.01,35.43 20.46,35.43 20.46,36.71
  lines w0.4: 26.402,1.106 ccw(c28.57,3.274) 28.57,0.208 137.42,0.208 ccw(c137.42,3.274) 139.588,1.106 149.325,10.843 ccw(c147.25,12.918) 150.184,12.918 150.184,68.36 ; 26.404,1.108 22.69,4.822 ccw(c20.45,2.583) 20.45,5.75 2.77,5.75 cw(c2.77,8.29) 0.23,8.29 0.23,68.36 cw(c2.77,68.36) 2.77,70.9 147.64,70.9 cw(c147.64,68.36) 150.18,68.36

## Dimensions
147.64,70.9 to 137.42,0.208 on Mechanical 1
0.23,68.36 to 150.184,68.36 on Mechanical 1

## Text inside footprints (layer, text, board x,y; h text height)
B2: Top Overlay "+" at 20.248,64.541 h2.5 r270